# Altium PCB TEL-GPRS-BT-V1_0 Rev1.PcbDoc (part 1 of 2)
Units mm, origin at the board's own origin, x right, y up, seen from the top; angles counter-clockwise.
Board outline 117.3 x 79.64 mm, 2 copper layers (Top Layer, Bottom Layer); 129 components, 107 nets, 540 pads, 161 vias.
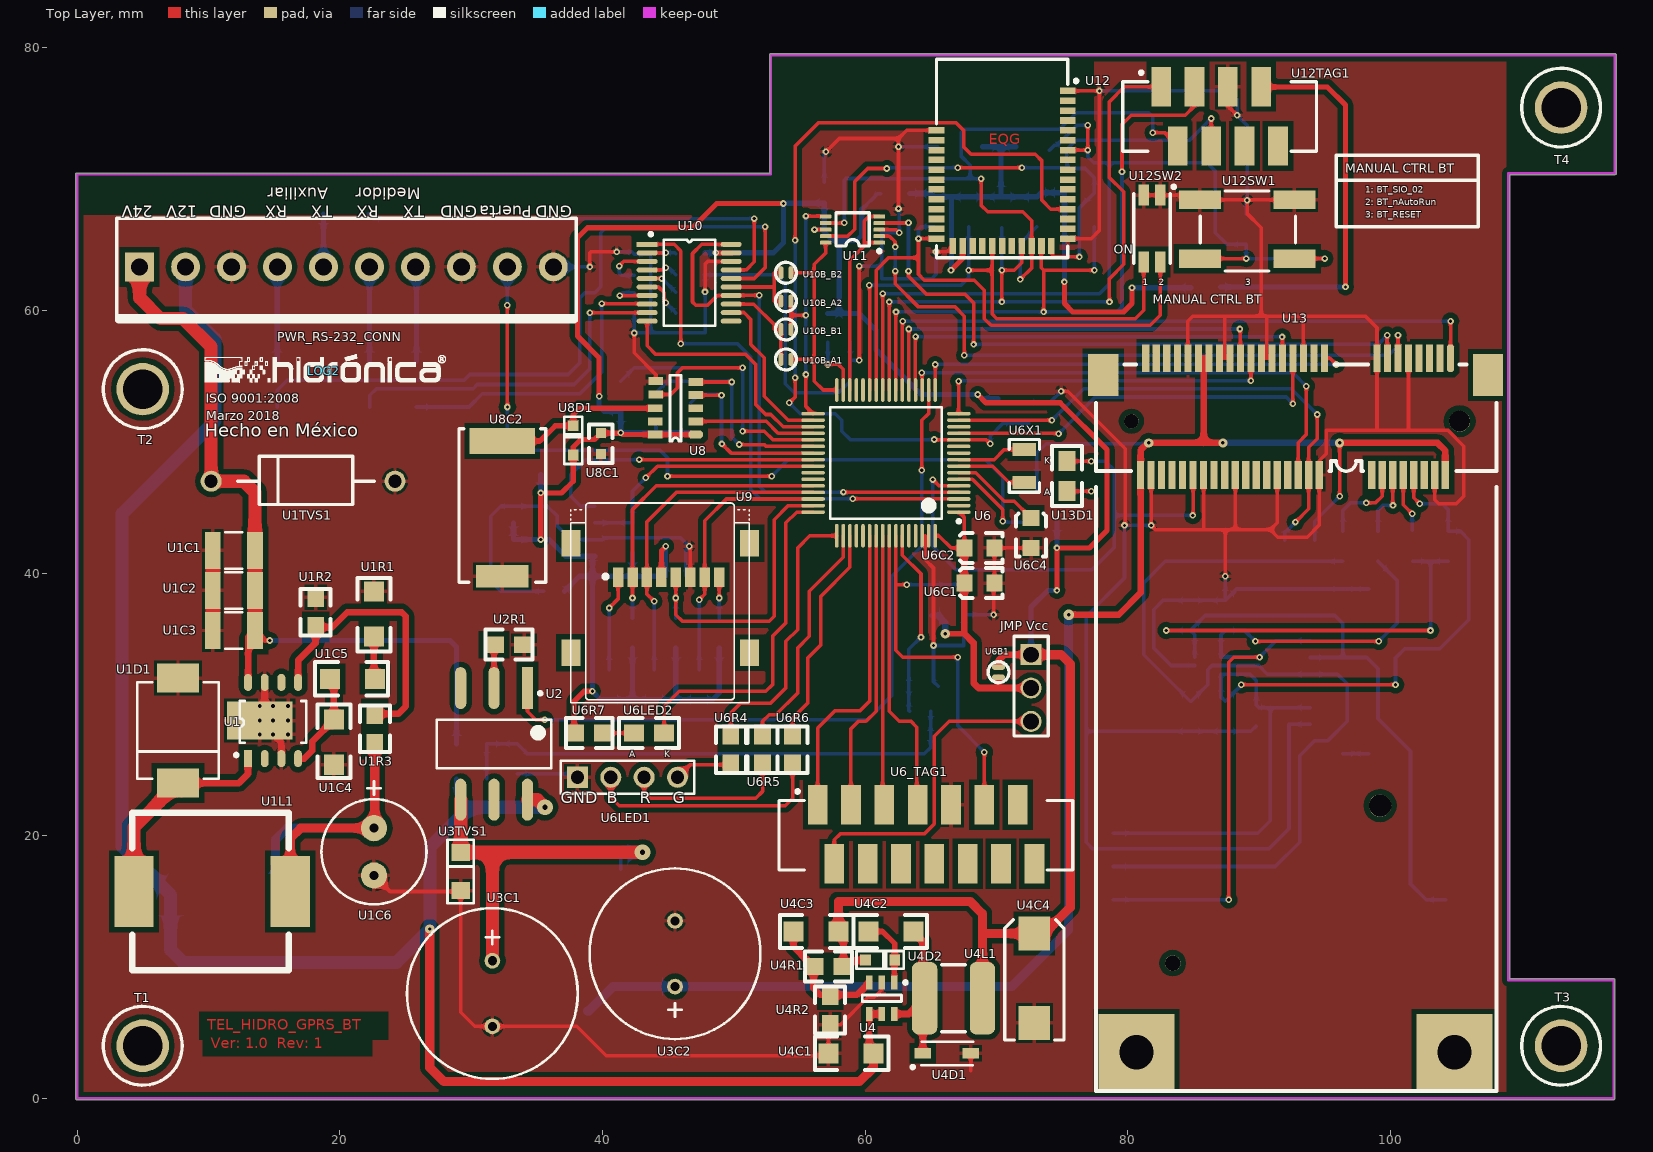
[diagram p0: Top Layer view]
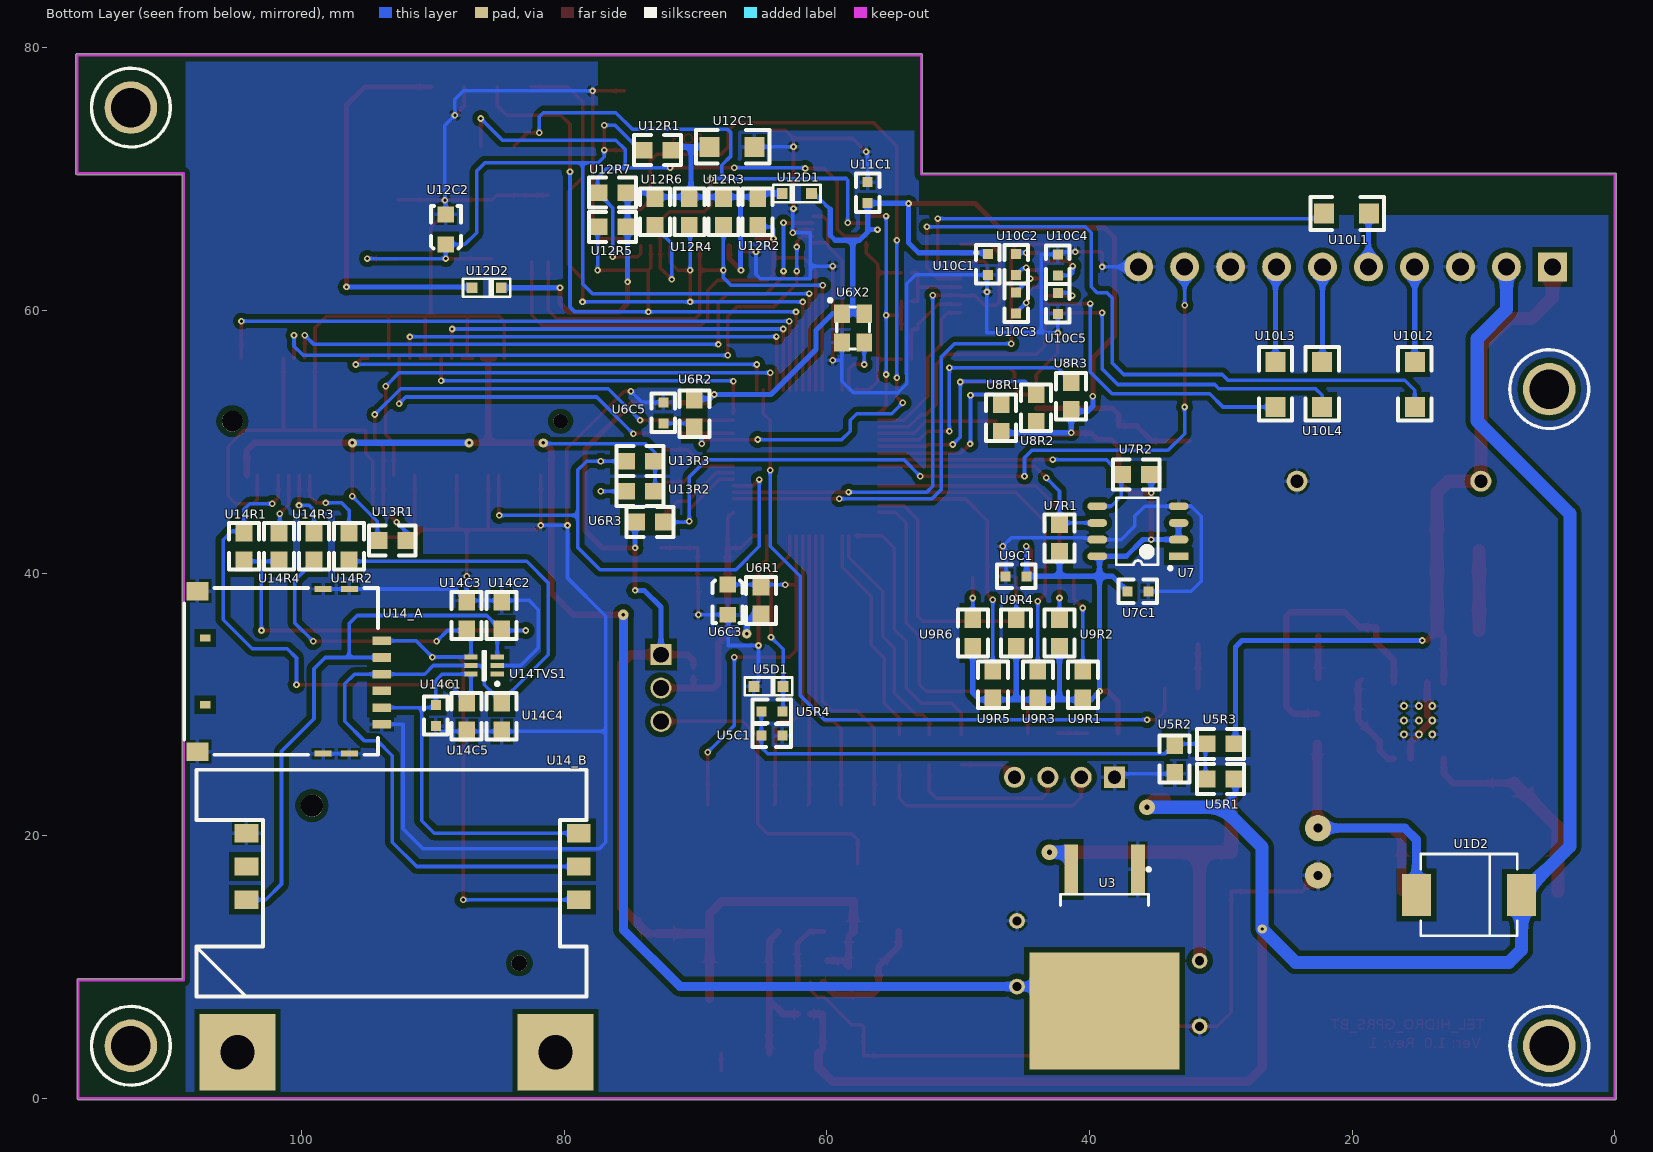
[diagram p1: Bottom Layer view, seen from below]
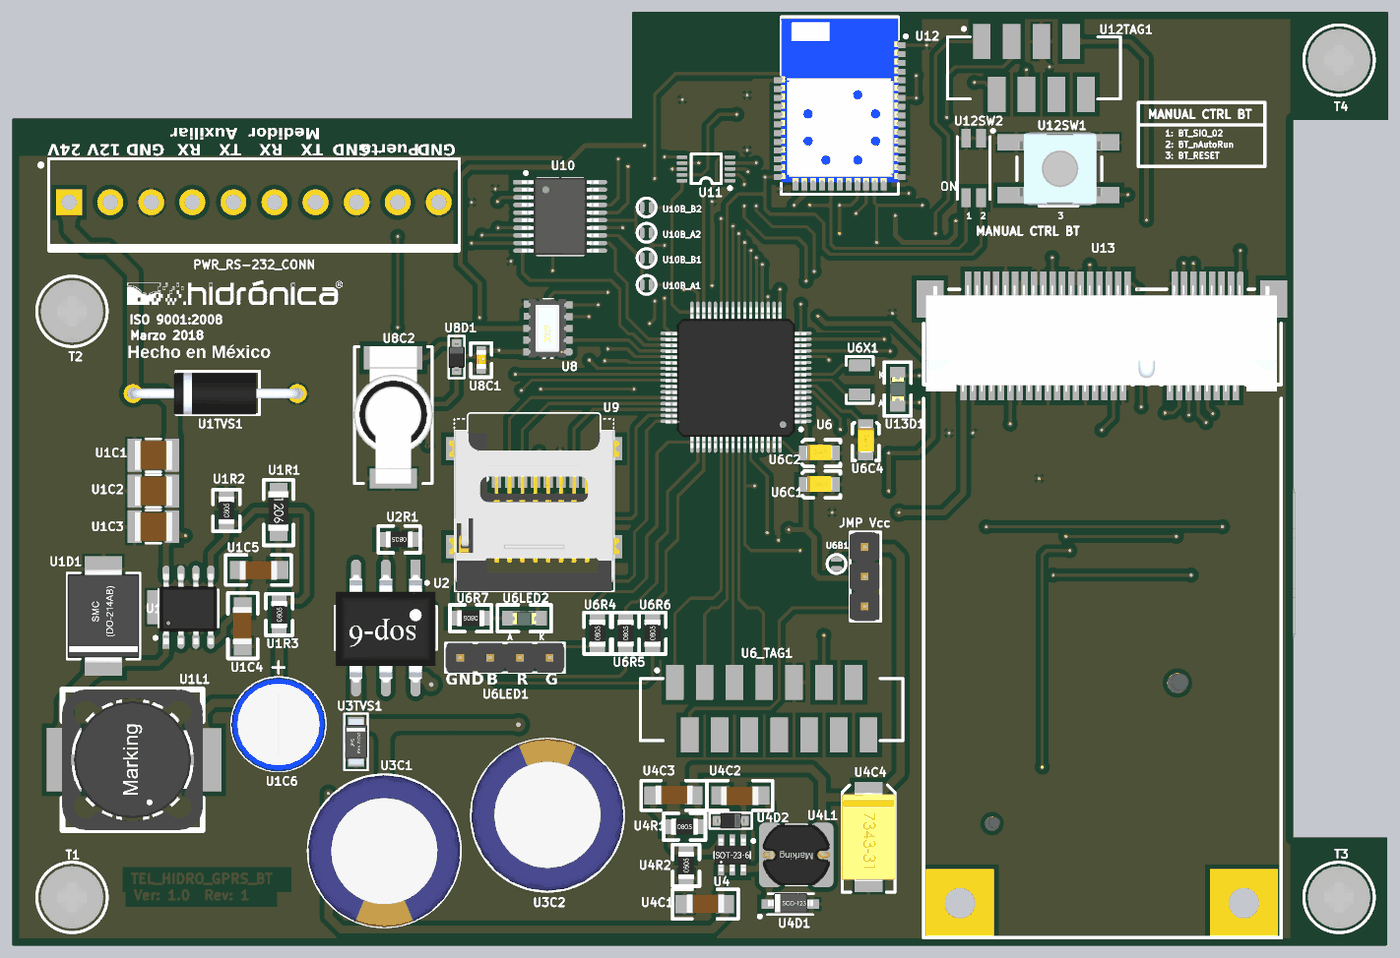
[diagram p3: 3D render of the assembled board from above, using the file's embedded part models]
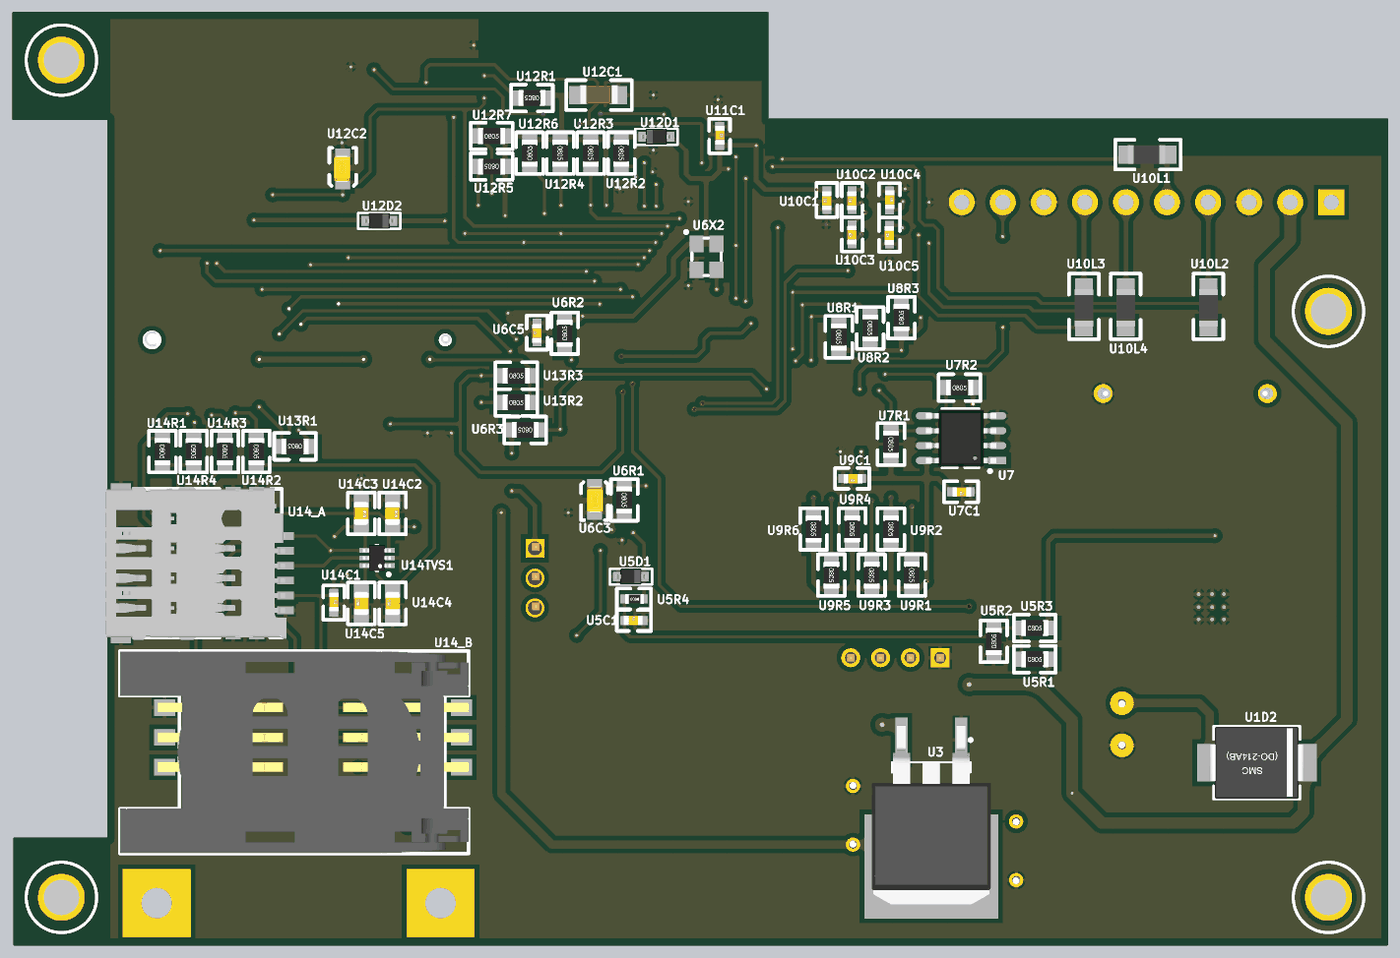
[diagram p4: 3D render of the assembled board from below, using the file's embedded part models]

## Layer stack, top to bottom
Top Solder: solder mask 0.0102, Solder Resist, Dk 3.5
Top Layer: signal copper 0.0356
Dielectric 1: dielectric 0.32, FR-4, Dk 4.8
Bottom Layer: signal copper 0.0356
Bottom Solder: solder mask 0.0102, Solder Resist, Dk 3.5

## Board outline
0,-0.1 cw(c0,0) -0.1,0 -0.1,70.358 cw(c0,70.358) 0,70.458 52.732,70.458 52.732,79.438 cw(c52.832,79.438) 52.832,79.539 117.1,79.539 cw(c117.1,79.439) 117.201,79.439 117.201,70.439 cw(c117.1,70.439) 117.1,70.339 109.084,70.339 109.084,69.897 cw(c108.984,69.897) 109.083,69.887 109.083,9.1 117,9.1 cw(c117,9) 117.1,9 117.1,0 cw(c117,0) 117,-0.1

## Design rules (kind name [scope] priority, off if disabled: settings)
Clearance [All] p1: gap=0.1
ComponentClearance Spacer [(HasFootprint('691 216 510 003')) vs (HasFootprint('691 216 510 003'))] p1: gap=0 collisioncheckmode=3 verticalgap=0 showdistances=FALSE
ComponentClearance SIM [(HasFootprint('MINIPCI-52')) vs (HasFootprint('SIM-6'))] p2: gap=0 collisioncheckmode=3 verticalgap=0 showdistances=FALSE
ComponentClearance LOGO [(HasFootprint('Logo CID - TO') OR HasFootprint('Logo HIDRONICA'))] p3: gap=0 collisioncheckmode=3 verticalgap=0 showdistances=FALSE
ComponentClearance TERM-BLOCK [(HasFootprint('691 216 510 003')OR HasFootprint('691 216 510 002')) vs (HasFootprint('691 216 510 002')OR HasFootprint('691 216 510 003'))] p4: gap=0 collisioncheckmode=3 verticalgap=0 showdistances=FALSE
ComponentClearance Tornillo-Separador [HasFootprint('SPACER') vs HasFootprint('Tornillo')] p5: gap=0 collisioncheckmode=3 verticalgap=0 showdistances=FALSE
ComponentClearance [All] p6: gap=0 collisioncheckmode=3 verticalgap=0.254 showdistances=FALSE
Height [All] p1: minheight=0 maxheight=30 prefheight=12.7
MinimumSolderMaskSliver [All] p1: minsoldermaskwidth=0
PolygonConnect PolygonComponents [InNet('GND') vs (InComponentClass('All Components'))] p1 off: connectstyle=Relief reliefconductorwidth=0.3 reliefentries=4 polygonreliefangle="90 Angle" airgapwidth=0.2
PolygonConnect PolygonAll [All] p2: connectstyle=Relief reliefconductorwidth=0.3 reliefentries=4 polygonreliefangle="90 Angle" airgapwidth=0.2
RoutingVias [All] p1: holewidth=0.25 width=0.5 viastyle="Through Hole" minholewidth=0.2 minwidth=0.4 maxholewidth=0.711 maxwidth=1.27
SilkToSilkClearance [All] p1: silktosilkclearance=0
SilkToSolderMaskClearance [IsPad] p1: minsilkscreentomaskgap=0 clearancetoexposedcopper=TRUE
SolderMaskExpansion [All] p1: expansion=0
Width [All] p1: maxlimit=1 minlimit=0.15 preferedwidth=0.27
25 further rules are at their usual default settings.

## Classes and differential pairs
component class "SIM CARD": U14_A U14_B U14C1 U14C2 U14C3 U14C4 U14C5 U14R1 U14R2 U14R3 U14R4 U14TVS1
component class "Modem GPRS": U13 U13D1 U13R1 U13R2 U13R3
component class "Fuente 12V": U1 U1C1 U1C2 U1C3 U1C4 U1C5 U1C6 U1D1 U1D2 U1L1 U1R1 U1R2 U1R3 U1TVS1
net class BUS_TAG[0..4]: BUS_TAG0 BUS_TAG1 BUS_TAG2 BUS_TAG3 BUS_TAG4
component class "Fuente de 3V/200mA": U2 U2R1 U3 U3C1 U3C2 U3TVS1 U4 U4C1 U4C2 U4C3 U4C4 U4D1 U4D2 U4L1 U4R1 U4R2
component class "Reloj de Tiempo real": U8 U8C1 U8C2 U8D1 U8R1 U8R2 U8R3
component class Principal: PWR_RS-232_CONN T1 T2 T3 T4
component class "Monitoreo de la Bateria": U5C1 U5D1 U5R1 U5R2 U5R3 U5R4
component class "Microcontrolador MSP430": "JMP Vcc" U6 U6_TAG1 U6B1 U6C1 U6C2 U6C3 U6C4 U6C5 U6LED1 U6LED2 U6R1 U6R2 U6R3 U6R4 U6R5 U6R6 U6R7 U6X1 U6X2
component class U_Interfaz_RS232: U10 U10B_A1 U10B_A2 U10B_B1 U10B_B2 U10C1 U10C2 U10C3 U10C4 U10C5 U10L1 U10L2 U10L3 U10L4
component class "Interfaz de Memoria I2C": U7 U7C1 U7R1 U7R2
component class "U_Modulo BL652": SW1 U12 U12C1 U12C2 U12D1 U12D2 U12R1 U12R2 U12R3 U12R4 U12R5 U12R6 U12R7 U12SW1 U12SW2 U12TAG1
component class U_SDCard: U9 U9C1 U9R1 U9R2 U9R3 U9R4 U9R5 U9R6
component class U_UART_Multiplexor: U11 U11C1

## Components (designator, comment, footprint, x,y, rotation, side; value= is the part's Value field where it differs from the comment)
"JMP Vcc" "613 003 111 21" HDR1X3 72.644,31.242 r270 top
LOG2 "Hidronica" "Logo HIDRONICA" 18.796,55.372 r0 top
PWR_RS-232_CONN "6912141100xx" 691214110002x2_691214110003x2 20.511,63.309 r0 top
T1 "" Tornillo 5,4 r0 top
T2 "" Tornillo 5,54 r0 top
T3 "" Tornillo 113,4 r0 top
T4 "" Tornillo 113,75.439 r0 top
U1 "L5973ADTR" SOIC-8-T 14.922,28.765 r90 top
U1C1 "10uF" 1210-CAP 11.938,41.719 r0 top
U1C2 "10uF" 1210-CAP 11.938,38.672 r0 top
U1C3 "10uF" 1210-CAP 11.938,35.623 r0 top
U1C4 "220pF" 1206-CAP 19.558,25.4 r90 top
U1C5 "22nF" 1206-CAP 22.669,31.941 r180 top
U1C6 "ECA-1EM331" CAPPR3.5-8x11.5 22.606,20.574 r270 top
U1D1 "STPS5L60S" DO-214AB 7.683,28.003 r90 top
U1D2 "SS34-E3/57T" DO-214AB 11.112,15.494 r0 bottom
U1L1 "100uH" 1280-IND 5.334,15.748 r0 top
U1R1 "4.7K" 1206-RES 22.606,38.608 r270 top
U1R2 "2.7K" 0805-RES 18.161,35.877 r90 top
U1R3 "24K" 0805-RES 22.669,26.987 r90 top
U1TVS1 "33V" DO-15 17.209,46.99 r180 top
U2 "LCA715STR" SOP-6 31.75,26.987 r270 top
U2R1 "1.2K" 0805-RES 34.036,34.544 r180 top
U3 "LM1085ISX-3.3/NOPB" D2PAK3-TO263 38.862,13.081 r270 bottom
U3C1 "470uF" CAP-12.5X20X5 31.623,10.477 r270 top
U3C2 "470uF" CAP-12.5X20X5 45.529,8.509 r90 top
U3TVS1 "20V" DO-219AB 29.21,17.272 r270 top
U4 "REG1" SOT23-6 61.277,7.62 r270 top
U4C1 "2.2uF" 1206-cap 57.213,3.429 r0 top
U4C2 "0.22uF" 1206-CAP 63.691,12.7 r180 top
U4C3 "10p" 1206-CAP 54.546,12.7 r0 top
U4C4 "100uF" 7343-31 72.898,9.144 r90 top
U4D1 "MBR0540" SOD-123 66.23,3.429 r180 top
U4D2 "CMDSH-3" SOD-323 61.151,10.541 r0 top
U4L1 "33mH" 784774033 66.739,7.62 r0 top
U4R1 "1M" 0805-RES 56.07,10.033 r0 top
U4R2 "604K" 0805-RES 57.34,5.588 r90 top
U5C1 "0.22uF" "0603 - CAP" 64.198,27.622 r180 bottom
U5D1 "DZ2J030M0L" SOD-323 64.453,31.369 r180 bottom
U5R1 "4.22M" 0805-RES 31.178,24.32 r180 bottom
U5R2 "1M" 0805-RES 33.528,24.701 r90 bottom
U5R3 "10M" 0805-RES 31.178,26.988 r180 bottom
U5R4 "390" 0603-RES 64.198,29.464 r0 bottom
U6 "MSP430F1611IPM" LQFP-64 61.595,48.387 r180 top
U6_TAG1 "690 367 291 476" 690367291476 56.388,22.352 r0 top
U6B1 "" "BYPASS BRIDGE" 70.168,32.448 r90 top
U6C1 "1uF" 0805-tan 67.564,39.237 r0 top
U6C2 "1uF" 0805-TAN 67.564,41.91 r0 top
U6C3 "1uF" 0805-tan 67.564,39.116 r270 bottom
U6C4 "1uF" 0805-tan 72.644,44.196 r270 top
U6C5 "0.1uF" "0603 - CAP" 72.454,52.197 r90 bottom
U6LED1 "Led" HDR1X4 41.91,24.448 r0 top
U6LED2 "LED2" 0805-LEDG 42.418,27.813 r0 top
U6R1 "100K" 0805-RES 65.024,39.052 r270 bottom
U6R2 "10K" 0805-RES 70.104,50.99 r90 bottom
U6R3 "100K" 0805-RES 72.326,43.879 r0 bottom (schematic designator U6R2)
U6R4 "3.3K" 0805-RES 49.784,25.4 r90 top
U6R5 "3.3K" 0805-RES 52.197,25.4 r90 top
U6R6 "3.3K" 0805-RES 54.483,25.4 r90 top
U6R7 "820" 0805-RES 40.132,27.813 r180 top
U6X1 "32.768 KHz" "XTAL SMD 3.2 X 1.5" 72.136,49.403 r270 top
U6X2 "7X-1.8432MBC-T" 7X-1.8432MBC-T 58.864,59.753 r270 bottom
U7 "AT24CM01-SSHM-T" SOIC-8 36.322,43.18 r0 bottom
U7C1 "0.1uF" "0603 - CAP" 36.322,38.608 r0 bottom
U7R1 "10K" 0805-RES 42.291,43.815 r270 bottom
U7R2 "10K" 0805-RES 37.592,47.498 r180 bottom
U8 "" RV-3029-C2 47.117,50.546 r180 top
U8C1 "0.1uF" "0603 - CAP" 39.878,49.847 r270 top
U8C2 "220mF" DSK-3R3H224U-HL 32.385,44.895 r0 top
U8D1 "NSR0320MW2T1G" SOD-323 37.782,50.102 r90 top
U8R1 "10K" 0805-RES 46.736,52.959 r270 bottom
U8R2 "10K" 0805-RES 44.069,53.721 r270 bottom
U8R3 "10K" 0805-RES 41.402,52.324 r90 bottom
U9 "WE-Card Connectors 693072010801" 693072010801 37.592,44.704 r180 top
U9C1 "0.1uF" "0603 - CAP" 45.593,39.751 r0 bottom
U9R1 "10K" 0805-RES 40.513,32.639 r270 bottom
U9R2 "10K" 0805-RES 42.291,36.576 r270 bottom
U9R3 "10K" 0805-RES 43.942,32.639 r270 bottom
U9R4 "10K" 0805-RES 45.593,36.576 r270 bottom
U9R5 "10K" 0805-RES 47.371,32.639 r270 bottom
U9R6 "10K" 0805-RES 48.895,36.576 r270 bottom
U10 "SN75C3223EPWR" TSSOP-20 46.609,62.103 r0 top
U10B_A1 "" "BYPASS BRIDGE" 53.975,56.261 r180 top
U10B_A2 "" "BYPASS BRIDGE" 53.975,60.706 r180 top
U10B_B1 "" "BYPASS BRIDGE" 53.975,58.547 r0 top
U10B_B2 "" "BYPASS BRIDGE" 53.975,62.865 r0 top
U10C1 "0.1uF" "0603 - CAP" 47.752,63.5 r90 bottom
U10C2 "0.1uF" "0603 - CAP" 45.593,63.5 r90 bottom
U10C3 "0.1uF" "0603 - CAP" 45.593,60.579 r90 bottom
U10C4 "0.1uF" "0603 - CAP" 42.418,63.462 r270 bottom
U10C5 "0.1uF" "0603 - CAP" 42.418,60.541 r90 bottom
U10L1 "74279214" 1206-IND 22.162,67.373 r180 bottom
U10L2 "74279214" 1206-IND 15.24,52.642 r90 bottom
U10L3 "74279214" 1206-IND 25.845,52.642 r90 bottom
U10L4 "74279214" 1206-IND 22.288,52.642 r90 bottom
U11 "ADG836" ADG836 61.087,65.151 r90 top
U11C1 "0.1uF" "0603 - CAP" 56.896,68.961 r270 bottom
U12 "Laird BT652-SA" BT652 75.438,76.708 r180 top
U12C1 "10uF" 1206-CAP 68.961,72.453 r180 bottom
U12C2 "1uF" 0805-tan 89.027,65.024 r90 bottom
U12D1 "NSR0320MW2T1G" SOD-323 62.293,68.897 r0 bottom
U12D2 "NSR0320MW2T1G" SOD-323 85.915,61.722 r180 bottom
U12R1 "4.7K" 0805-RES 71.755,72.2 r0 bottom
U12R2 "4.7K" 0805-RES 65.278,68.644 r270 bottom
U12R3 "4.7K" 0805-RES 67.882,68.644 r270 bottom
U12R4 "4.7K" 0805-RES 70.485,68.644 r270 bottom
U12R5 "4.7K" 0805-RES 75.184,66.358 r0 bottom
U12R6 "4.7K" 0805-RES 73.088,66.358 r90 bottom
U12R7 "4.7K" 0805-RES 77.47,68.961 r180 bottom
U12SW1 "" "430 473 031 826" 89.09,66.167 r0 top
U12SW2 "SW DIP-2" CHS-02TA 82.486,68.77 r180 top
U12TAG1 "Header 4X2" 690367290876 82.55,72.517 r0 top
U13 "MiniPCIe" MINIPCI-52 105.283,51.562 r180 top
U13D1 "LED2" 0805-LEDG 75.374,46.228 r90 top
U13R1 "10K" 0805-RES 91.948,42.481 r0 bottom
U13R2 "820" 0805-RES 75.374,46.228 r180 bottom
U13R3 "10K" 0805-RES 75.374,48.514 r180 bottom
U14_A "0786463001" 0786463001-SIM 94.2,32.512 r0 bottom
U14_B "7111S2015X02LF" SIM-6 104.203,20.193 r270 bottom
U14C1 "0.1uF" "0603 - CAP" 89.789,29.146 r270 bottom
U14C2 "33pF" 0805-cap 84.772,37.91 r270 bottom
U14C3 "33pF" 0805-cap 87.439,37.91 r270 bottom
U14C4 "33pF" 0805-cap 84.772,27.94 r90 bottom
U14C5 "33pF" 0805-cap 87.439,27.94 r90 bottom
U14R1 "15K" 0805-RES 104.394,43.18 r270 bottom
U14R2 "22" 0805-RES 96.393,43.18 r270 bottom
U14R3 "22" 0805-RES 99.06,43.18 r270 bottom
U14R4 "22" 0805-RES 101.727,43.18 r270 bottom
U14TVS1 "SMF05C.TCT" SC70-6 86.106,32.956 r0 bottom
